# KiCad board demo_matrix2.kicad_pcb
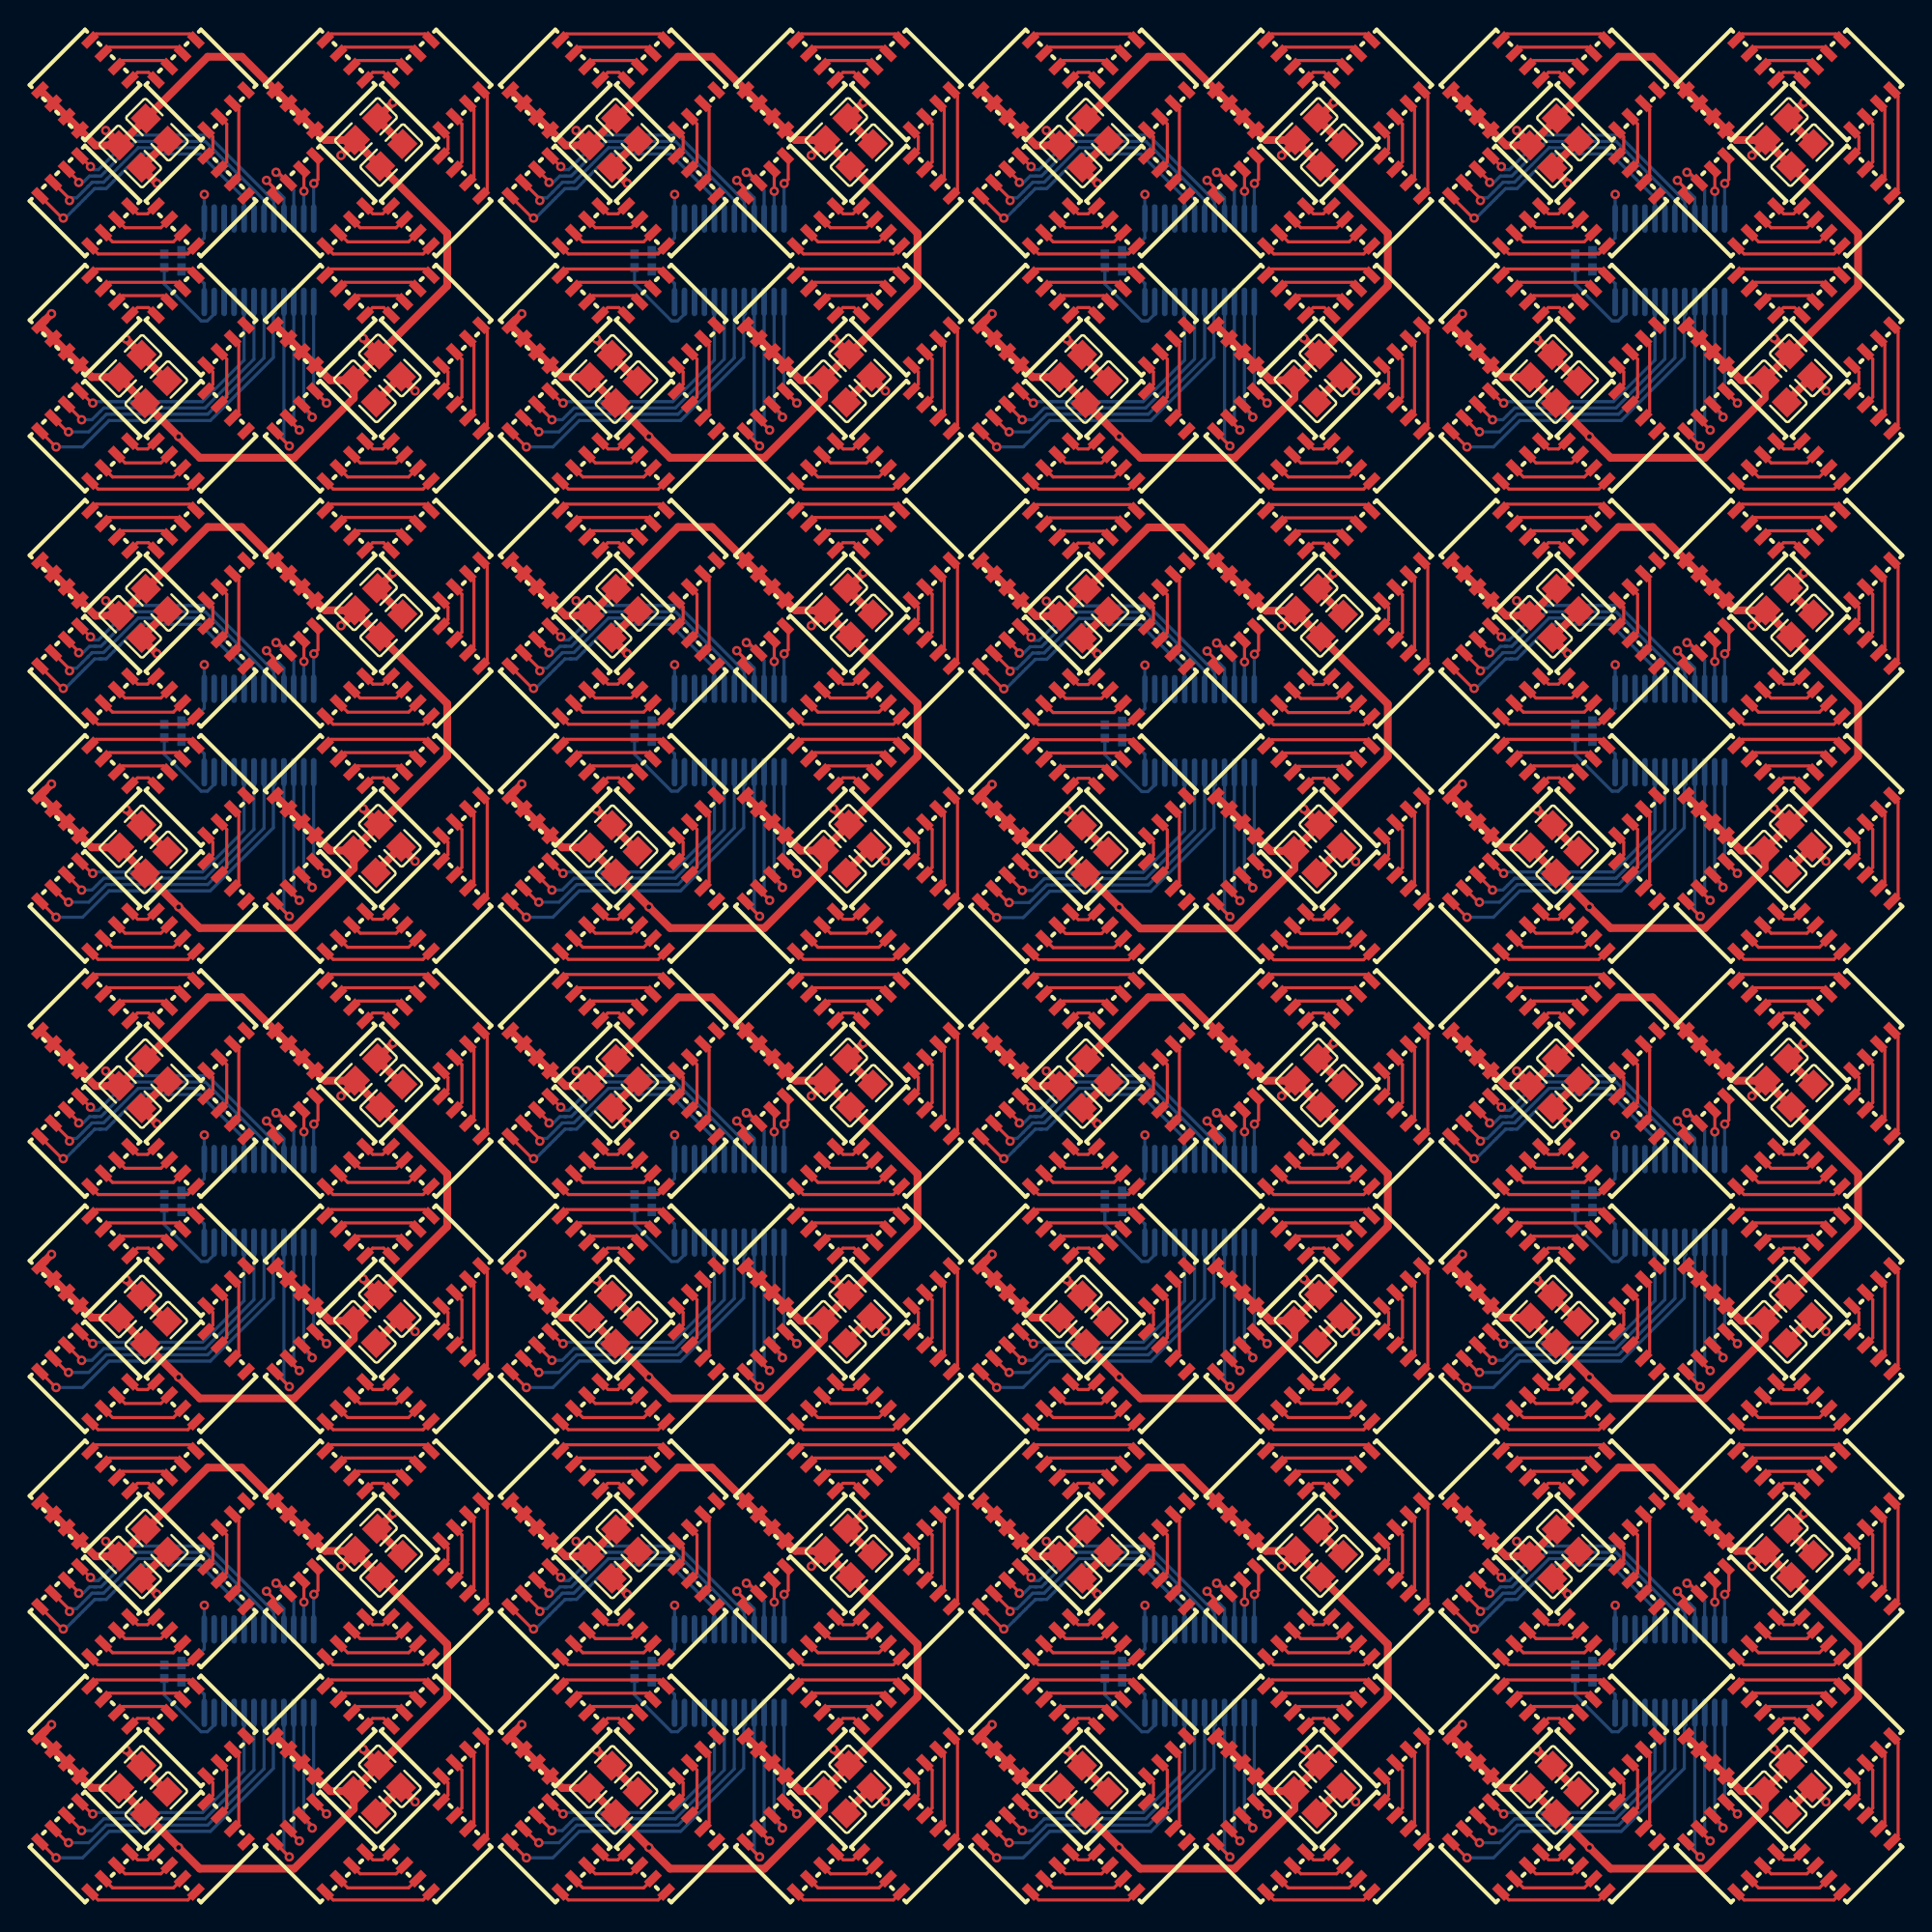
[diagram p0: board, top side]
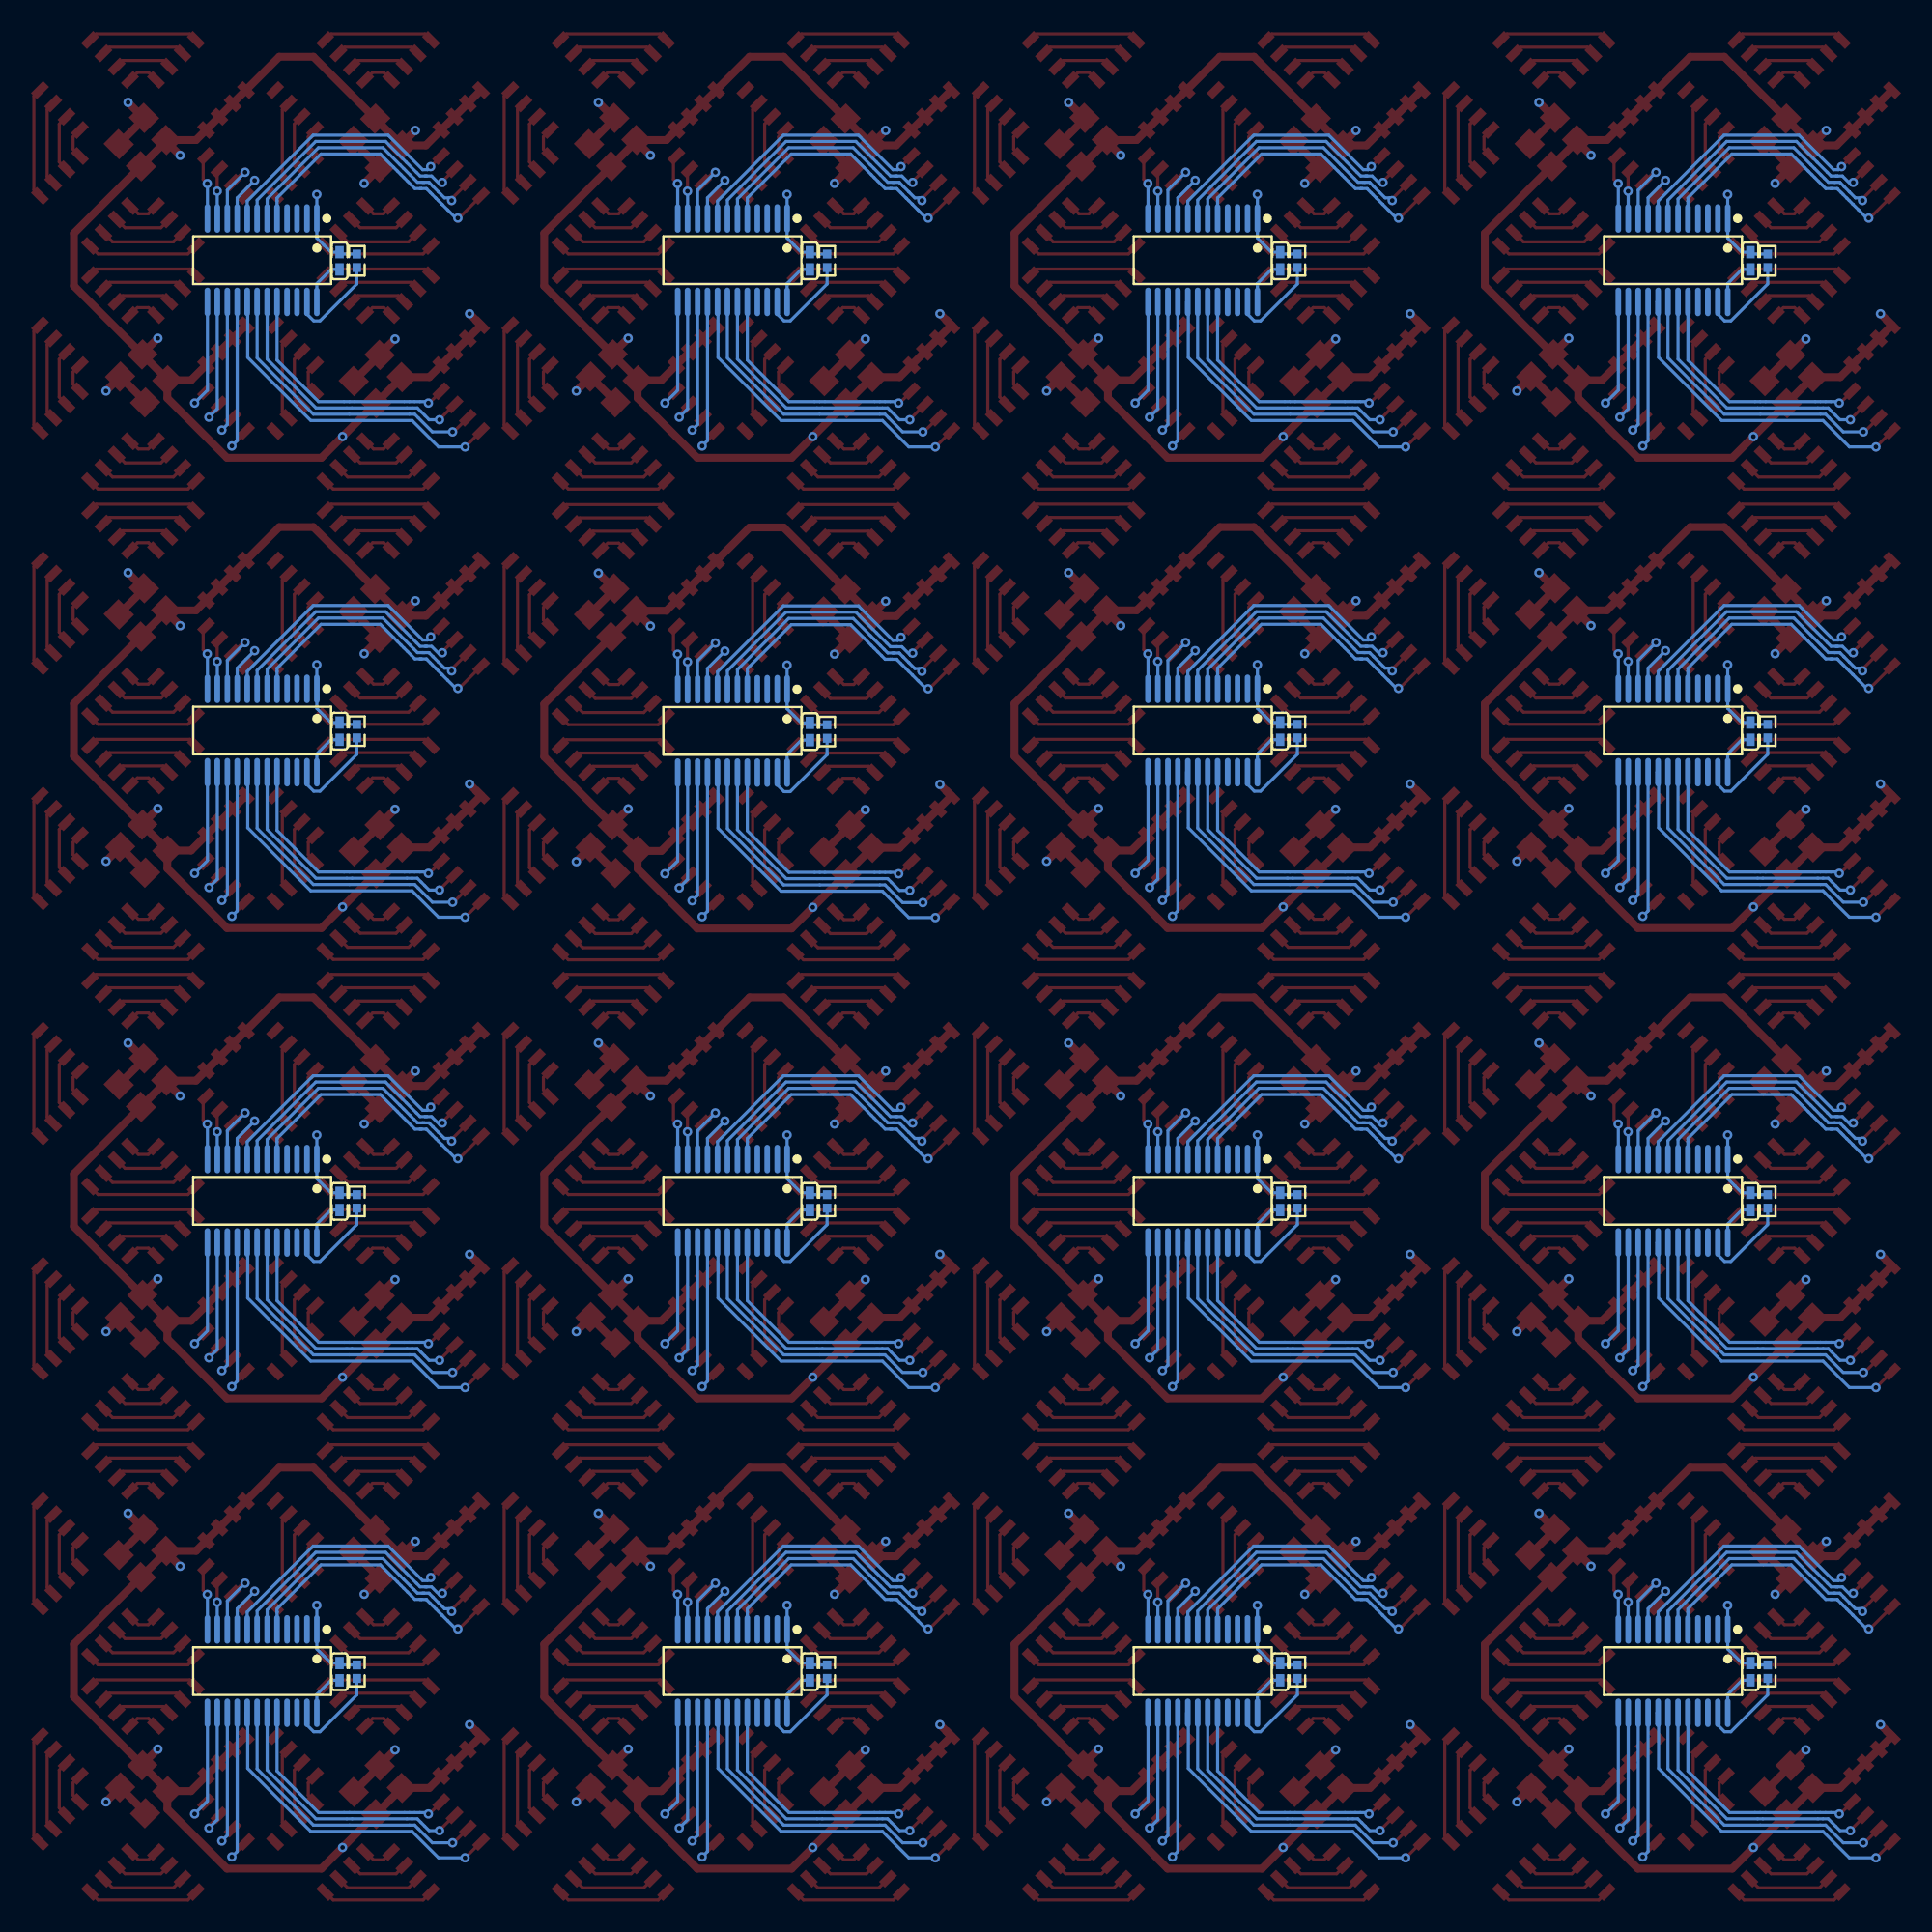
[diagram p1: board, bottom side, seen from below]

No outline. copper layers: Top, Bottom. Coordinates in mm from the lowest, leftmost part position.

## Placement (name value [footprint] x y rotation side)
C1  10µF ±10% 25V X5R  [C0805]  6.69 107.84 315 top
C2  10µF ±10% 25V X5R  [C0805]  8.39 109.55 315 top
C3  10µF ±10% 25V X5R  [C0805]  6.7 94.47 45 top
C4  10µF ±10% 25V X5R  [C0805]  23.34 107.92 45 top
C5  10µF ±10% 25V X5R  [C0805]  21.65 92.86 315 top
C6  10µF ±10% 25V X5R  [C0805]  8.35 92.81 45 top
C7  10µF ±10% 25V X5R  [C0805]  23.25 94.51 315 top
C8  10µF ±10% 25V X5R  [C0805]  21.73 109.6 45 top
C9  100nF ±10% 16V X7R  [C0402]  9.96 101.18 90 bottom
C10  10µF ±10% 25V X5R  [C0805]  36.69 107.84 315 top
C11  10µF ±10% 25V X5R  [C0805]  38.39 109.55 315 top
C12  10µF ±10% 25V X5R  [C0805]  36.7 94.47 45 top
C13  10µF ±10% 25V X5R  [C0805]  53.34 107.92 45 top
C14  10µF ±10% 25V X5R  [C0805]  51.65 92.86 315 top
C15  10µF ±10% 25V X5R  [C0805]  38.35 92.81 45 top
C16  10µF ±10% 25V X5R  [C0805]  53.25 94.51 315 top
C17  10µF ±10% 25V X5R  [C0805]  51.73 109.6 45 top
C18  100nF ±10% 16V X7R  [C0402]  39.96 101.18 90 bottom
C19  10µF ±10% 25V X5R  [C0805]  66.69 107.84 315 top
C20  10µF ±10% 25V X5R  [C0805]  68.39 109.55 315 top
C21  10µF ±10% 25V X5R  [C0805]  66.7 94.47 45 top
C22  10µF ±10% 25V X5R  [C0805]  83.34 107.92 45 top
C23  10µF ±10% 25V X5R  [C0805]  81.65 92.86 315 top
C24  10µF ±10% 25V X5R  [C0805]  68.35 92.81 45 top
C25  10µF ±10% 25V X5R  [C0805]  83.25 94.51 315 top
C26  10µF ±10% 25V X5R  [C0805]  81.73 109.6 45 top
C27  100nF ±10% 16V X7R  [C0402]  69.96 101.18 90 bottom
C28  10µF ±10% 25V X5R  [C0805]  96.69 107.84 315 top
C29  10µF ±10% 25V X5R  [C0805]  98.39 109.55 315 top
C30  10µF ±10% 25V X5R  [C0805]  96.7 94.47 45 top
C31  10µF ±10% 25V X5R  [C0805]  113.34 107.92 45 top
C32  10µF ±10% 25V X5R  [C0805]  111.65 92.86 315 top
C33  10µF ±10% 25V X5R  [C0805]  98.35 92.81 45 top
C34  10µF ±10% 25V X5R  [C0805]  113.25 94.51 315 top
C35  10µF ±10% 25V X5R  [C0805]  111.73 109.6 45 top
C36  100nF ±10% 16V X7R  [C0402]  99.96 101.18 90 bottom
C37  10µF ±10% 25V X5R  [C0805]  96.69 77.84 315 top
C38  10µF ±10% 25V X5R  [C0805]  98.39 79.55 315 top
C39  10µF ±10% 25V X5R  [C0805]  96.7 64.47 45 top
C40  10µF ±10% 25V X5R  [C0805]  113.34 77.92 45 top
C41  10µF ±10% 25V X5R  [C0805]  111.65 62.86 315 top
C42  10µF ±10% 25V X5R  [C0805]  98.35 62.81 45 top
C43  10µF ±10% 25V X5R  [C0805]  113.25 64.51 315 top
C44  10µF ±10% 25V X5R  [C0805]  111.73 79.59 45 top
C45  100nF ±10% 16V X7R  [C0402]  99.96 71.18 90 bottom
C46  10µF ±10% 25V X5R  [C0805]  66.69 77.81 315 top
C47  10µF ±10% 25V X5R  [C0805]  68.39 79.52 315 top
C48  10µF ±10% 25V X5R  [C0805]  66.7 64.45 45 top
C49  10µF ±10% 25V X5R  [C0805]  83.34 77.9 45 top
C50  10µF ±10% 25V X5R  [C0805]  81.65 62.83 315 top
C51  10µF ±10% 25V X5R  [C0805]  68.35 62.78 45 top
C52  10µF ±10% 25V X5R  [C0805]  83.25 64.48 315 top
C53  10µF ±10% 25V X5R  [C0805]  81.73 79.57 45 top
C54  100nF ±10% 16V X7R  [C0402]  69.96 71.16 90 bottom
C55  10µF ±10% 25V X5R  [C0805]  36.69 77.84 315 top
C56  10µF ±10% 25V X5R  [C0805]  38.39 79.55 315 top
C57  10µF ±10% 25V X5R  [C0805]  36.7 64.47 45 top
C58  10µF ±10% 25V X5R  [C0805]  53.34 77.92 45 top
C59  10µF ±10% 25V X5R  [C0805]  51.65 62.86 315 top
C60  10µF ±10% 25V X5R  [C0805]  38.35 62.81 45 top
C61  10µF ±10% 25V X5R  [C0805]  53.25 64.51 315 top
C62  10µF ±10% 25V X5R  [C0805]  51.73 79.6 45 top
C63  100nF ±10% 16V X7R  [C0402]  39.96 71.18 90 bottom
C64  10µF ±10% 25V X5R  [C0805]  6.69 77.84 315 top
C65  10µF ±10% 25V X5R  [C0805]  8.39 79.55 315 top
C66  10µF ±10% 25V X5R  [C0805]  6.7 64.47 45 top
C67  10µF ±10% 25V X5R  [C0805]  23.34 77.92 45 top
C68  10µF ±10% 25V X5R  [C0805]  21.65 62.86 315 top
C69  10µF ±10% 25V X5R  [C0805]  8.35 62.81 45 top
C70  10µF ±10% 25V X5R  [C0805]  23.25 64.51 315 top
C71  10µF ±10% 25V X5R  [C0805]  21.73 79.6 45 top
C72  100nF ±10% 16V X7R  [C0402]  9.96 71.18 90 bottom
C73  10µF ±10% 25V X5R  [C0805]  6.69 47.84 315 top
C74  10µF ±10% 25V X5R  [C0805]  8.39 49.55 315 top
C75  10µF ±10% 25V X5R  [C0805]  6.7 34.47 45 top
C76  10µF ±10% 25V X5R  [C0805]  23.34 47.92 45 top
C77  10µF ±10% 25V X5R  [C0805]  21.65 32.86 315 top
C78  10µF ±10% 25V X5R  [C0805]  8.35 32.81 45 top
C79  10µF ±10% 25V X5R  [C0805]  23.25 34.51 315 top
C80  10µF ±10% 25V X5R  [C0805]  21.73 49.6 45 top
C81  100nF ±10% 16V X7R  [C0402]  9.96 41.18 90 bottom
C82  10µF ±10% 25V X5R  [C0805]  36.69 47.84 315 top
C83  10µF ±10% 25V X5R  [C0805]  38.39 49.55 315 top
C84  10µF ±10% 25V X5R  [C0805]  36.7 34.47 45 top
C85  10µF ±10% 25V X5R  [C0805]  53.34 47.92 45 top
C86  10µF ±10% 25V X5R  [C0805]  51.65 32.86 315 top
C87  10µF ±10% 25V X5R  [C0805]  38.35 32.81 45 top
C88  10µF ±10% 25V X5R  [C0805]  53.25 34.51 315 top
C89  10µF ±10% 25V X5R  [C0805]  51.73 49.6 45 top
C90  100nF ±10% 16V X7R  [C0402]  39.96 41.18 90 bottom
C91  10µF ±10% 25V X5R  [C0805]  66.69 47.84 315 top
C92  10µF ±10% 25V X5R  [C0805]  68.39 49.55 315 top
C93  10µF ±10% 25V X5R  [C0805]  66.7 34.47 45 top
C94  10µF ±10% 25V X5R  [C0805]  83.34 47.92 45 top
C95  10µF ±10% 25V X5R  [C0805]  81.65 32.86 315 top
C96  10µF ±10% 25V X5R  [C0805]  68.35 32.81 45 top
C97  10µF ±10% 25V X5R  [C0805]  83.25 34.51 315 top
C98  10µF ±10% 25V X5R  [C0805]  81.73 49.6 45 top
C99  100nF ±10% 16V X7R  [C0402]  69.96 41.18 90 bottom
C100  10µF ±10% 25V X5R  [C0805]  96.69 47.84 315 top
C101  10µF ±10% 25V X5R  [C0805]  98.39 49.55 315 top
C102  10µF ±10% 25V X5R  [C0805]  96.7 34.47 45 top
C103  10µF ±10% 25V X5R  [C0805]  113.34 47.92 45 top
C104  10µF ±10% 25V X5R  [C0805]  111.65 32.86 315 top
C105  10µF ±10% 25V X5R  [C0805]  98.35 32.81 45 top
C106  10µF ±10% 25V X5R  [C0805]  113.25 34.51 315 top
C107  10µF ±10% 25V X5R  [C0805]  111.73 49.6 45 top
C108  100nF ±10% 16V X7R  [C0402]  99.96 41.18 90 bottom
C109  10µF ±10% 25V X5R  [C0805]  96.69 17.84 315 top
C110  10µF ±10% 25V X5R  [C0805]  98.39 19.55 315 top
C111  10µF ±10% 25V X5R  [C0805]  96.7 4.47 45 top
C112  10µF ±10% 25V X5R  [C0805]  113.34 17.92 45 top
C113  10µF ±10% 25V X5R  [C0805]  111.65 2.86 315 top
C114  10µF ±10% 25V X5R  [C0805]  98.35 2.81 45 top
C115  10µF ±10% 25V X5R  [C0805]  113.25 4.51 315 top
C116  10µF ±10% 25V X5R  [C0805]  111.73 19.6 45 top
C117  100nF ±10% 16V X7R  [C0402]  99.96 11.18 90 bottom
C118  10µF ±10% 25V X5R  [C0805]  66.69 17.84 315 top
C119  10µF ±10% 25V X5R  [C0805]  68.39 19.55 315 top
C120  10µF ±10% 25V X5R  [C0805]  66.7 4.47 45 top
C121  10µF ±10% 25V X5R  [C0805]  83.34 17.92 45 top
C122  10µF ±10% 25V X5R  [C0805]  81.65 2.86 315 top
C123  10µF ±10% 25V X5R  [C0805]  68.35 2.81 45 top
C124  10µF ±10% 25V X5R  [C0805]  83.25 4.51 315 top
C125  10µF ±10% 25V X5R  [C0805]  81.73 19.6 45 top
C126  100nF ±10% 16V X7R  [C0402]  69.96 11.18 90 bottom
C127  10µF ±10% 25V X5R  [C0805]  36.69 17.84 315 top
C128  10µF ±10% 25V X5R  [C0805]  38.39 19.55 315 top
C129  10µF ±10% 25V X5R  [C0805]  36.7 4.47 45 top
C130  10µF ±10% 25V X5R  [C0805]  53.34 17.92 45 top
C131  10µF ±10% 25V X5R  [C0805]  51.65 2.86 315 top
C132  10µF ±10% 25V X5R  [C0805]  38.35 2.81 45 top
C133  10µF ±10% 25V X5R  [C0805]  53.25 4.51 315 top
C134  10µF ±10% 25V X5R  [C0805]  51.73 19.6 45 top
C135  100nF ±10% 16V X7R  [C0402]  39.96 11.18 90 bottom
C136  10µF ±10% 25V X5R  [C0805]  6.69 17.84 315 top
C137  10µF ±10% 25V X5R  [C0805]  8.39 19.55 315 top
C138  10µF ±10% 25V X5R  [C0805]  6.7 4.47 45 top
C139  10µF ±10% 25V X5R  [C0805]  23.34 17.92 45 top
C140  10µF ±10% 25V X5R  [C0805]  21.65 2.86 315 top
C141  10µF ±10% 25V X5R  [C0805]  8.35 2.81 45 top
C142  10µF ±10% 25V X5R  [C0805]  23.25 4.51 315 top
C143  10µF ±10% 25V X5R  [C0805]  21.73 19.6 45 top
C144  100nF ±10% 16V X7R  [C0402]  9.96 11.18 90 bottom
LED1  -  [LED-SMD_8P-L5.0-W5.0-P1.20_HL-5050RGBW-S1-A27]  3.8 112.4 45 top
LED2  -  [LED-SMD_8P-L5.0-W5.0-P1.20_HL-5050RGBW-S1-A27]  11.2 112.4 315 top
LED3  -  [LED-SMD_8P-L5.0-W5.0-P1.20_HL-5050RGBW-S1-A27]  11.2 105 225 top
LED4  -  [LED-SMD_8P-L5.0-W5.0-P1.20_HL-5050RGBW-S1-A27]  3.8 105 135 top
LED5  -  [LED-SMD_8P-L5.0-W5.0-P1.20_HL-5050RGBW-S1-A27]  18.8 112.4 45 top
LED6  -  [LED-SMD_8P-L5.0-W5.0-P1.20_HL-5050RGBW-S1-A27]  26.2 112.4 315 top
LED7  -  [LED-SMD_8P-L5.0-W5.0-P1.20_HL-5050RGBW-S1-A27]  26.2 105 225 top
LED8  -  [LED-SMD_8P-L5.0-W5.0-P1.20_HL-5050RGBW-S1-A27]  18.8 105 135 top
LED9  -  [LED-SMD_8P-L5.0-W5.0-P1.20_HL-5050RGBW-S1-A27]  3.8 97.4 45 top
LED10  -  [LED-SMD_8P-L5.0-W5.0-P1.20_HL-5050RGBW-S1-A27]  11.2 97.4 315 top
LED11  -  [LED-SMD_8P-L5.0-W5.0-P1.20_HL-5050RGBW-S1-A27]  11.2 90 225 top
LED12  -  [LED-SMD_8P-L5.0-W5.0-P1.20_HL-5050RGBW-S1-A27]  3.8 90 135 top
LED13  -  [LED-SMD_8P-L5.0-W5.0-P1.20_HL-5050RGBW-S1-A27]  18.8 97.4 45 top
LED14  -  [LED-SMD_8P-L5.0-W5.0-P1.20_HL-5050RGBW-S1-A27]  26.2 97.4 315 top
LED15  -  [LED-SMD_8P-L5.0-W5.0-P1.20_HL-5050RGBW-S1-A27]  26.2 90 225 top
LED16  -  [LED-SMD_8P-L5.0-W5.0-P1.20_HL-5050RGBW-S1-A27]  18.8 90 135 top
LED17  -  [LED-SMD_8P-L5.0-W5.0-P1.20_HL-5050RGBW-S1-A27]  33.8 112.4 45 top
LED18  -  [LED-SMD_8P-L5.0-W5.0-P1.20_HL-5050RGBW-S1-A27]  41.2 112.4 315 top
LED19  -  [LED-SMD_8P-L5.0-W5.0-P1.20_HL-5050RGBW-S1-A27]  41.2 105 225 top
LED20  -  [LED-SMD_8P-L5.0-W5.0-P1.20_HL-5050RGBW-S1-A27]  33.8 105 135 top
LED21  -  [LED-SMD_8P-L5.0-W5.0-P1.20_HL-5050RGBW-S1-A27]  48.8 112.4 45 top
LED22  -  [LED-SMD_8P-L5.0-W5.0-P1.20_HL-5050RGBW-S1-A27]  56.2 112.4 315 top
LED23  -  [LED-SMD_8P-L5.0-W5.0-P1.20_HL-5050RGBW-S1-A27]  56.2 105 225 top
LED24  -  [LED-SMD_8P-L5.0-W5.0-P1.20_HL-5050RGBW-S1-A27]  48.8 105 135 top
LED25  -  [LED-SMD_8P-L5.0-W5.0-P1.20_HL-5050RGBW-S1-A27]  33.8 97.4 45 top
LED26  -  [LED-SMD_8P-L5.0-W5.0-P1.20_HL-5050RGBW-S1-A27]  41.2 97.4 315 top
LED27  -  [LED-SMD_8P-L5.0-W5.0-P1.20_HL-5050RGBW-S1-A27]  41.2 90 225 top
LED28  -  [LED-SMD_8P-L5.0-W5.0-P1.20_HL-5050RGBW-S1-A27]  33.8 90 135 top
LED29  -  [LED-SMD_8P-L5.0-W5.0-P1.20_HL-5050RGBW-S1-A27]  48.8 97.4 45 top
LED30  -  [LED-SMD_8P-L5.0-W5.0-P1.20_HL-5050RGBW-S1-A27]  56.2 97.4 315 top
LED31  -  [LED-SMD_8P-L5.0-W5.0-P1.20_HL-5050RGBW-S1-A27]  56.2 90 225 top
LED32  -  [LED-SMD_8P-L5.0-W5.0-P1.20_HL-5050RGBW-S1-A27]  48.8 90 135 top
LED33  -  [LED-SMD_8P-L5.0-W5.0-P1.20_HL-5050RGBW-S1-A27]  63.8 112.4 45 top
LED34  -  [LED-SMD_8P-L5.0-W5.0-P1.20_HL-5050RGBW-S1-A27]  71.2 112.4 315 top
LED35  -  [LED-SMD_8P-L5.0-W5.0-P1.20_HL-5050RGBW-S1-A27]  71.2 105 225 top
LED36  -  [LED-SMD_8P-L5.0-W5.0-P1.20_HL-5050RGBW-S1-A27]  63.8 105 135 top
LED37  -  [LED-SMD_8P-L5.0-W5.0-P1.20_HL-5050RGBW-S1-A27]  78.8 112.4 45 top
LED38  -  [LED-SMD_8P-L5.0-W5.0-P1.20_HL-5050RGBW-S1-A27]  86.2 112.4 315 top
LED39  -  [LED-SMD_8P-L5.0-W5.0-P1.20_HL-5050RGBW-S1-A27]  86.2 105 225 top
LED40  -  [LED-SMD_8P-L5.0-W5.0-P1.20_HL-5050RGBW-S1-A27]  78.8 105 135 top
LED41  -  [LED-SMD_8P-L5.0-W5.0-P1.20_HL-5050RGBW-S1-A27]  63.8 97.4 45 top
LED42  -  [LED-SMD_8P-L5.0-W5.0-P1.20_HL-5050RGBW-S1-A27]  71.2 97.4 315 top
LED43  -  [LED-SMD_8P-L5.0-W5.0-P1.20_HL-5050RGBW-S1-A27]  71.2 90 225 top
LED44  -  [LED-SMD_8P-L5.0-W5.0-P1.20_HL-5050RGBW-S1-A27]  63.8 90 135 top
LED45  -  [LED-SMD_8P-L5.0-W5.0-P1.20_HL-5050RGBW-S1-A27]  78.8 97.4 45 top
LED46  -  [LED-SMD_8P-L5.0-W5.0-P1.20_HL-5050RGBW-S1-A27]  86.2 97.4 315 top
LED47  -  [LED-SMD_8P-L5.0-W5.0-P1.20_HL-5050RGBW-S1-A27]  86.2 90 225 top
LED48  -  [LED-SMD_8P-L5.0-W5.0-P1.20_HL-5050RGBW-S1-A27]  78.8 90 135 top
LED49  -  [LED-SMD_8P-L5.0-W5.0-P1.20_HL-5050RGBW-S1-A27]  93.8 112.4 45 top
LED50  -  [LED-SMD_8P-L5.0-W5.0-P1.20_HL-5050RGBW-S1-A27]  101.2 112.4 315 top
LED51  -  [LED-SMD_8P-L5.0-W5.0-P1.20_HL-5050RGBW-S1-A27]  101.2 105 225 top
LED52  -  [LED-SMD_8P-L5.0-W5.0-P1.20_HL-5050RGBW-S1-A27]  93.8 105 135 top
LED53  -  [LED-SMD_8P-L5.0-W5.0-P1.20_HL-5050RGBW-S1-A27]  108.8 112.4 45 top
LED54  -  [LED-SMD_8P-L5.0-W5.0-P1.20_HL-5050RGBW-S1-A27]  116.2 112.4 315 top
LED55  -  [LED-SMD_8P-L5.0-W5.0-P1.20_HL-5050RGBW-S1-A27]  116.2 105 225 top
LED56  -  [LED-SMD_8P-L5.0-W5.0-P1.20_HL-5050RGBW-S1-A27]  108.8 105 135 top
LED57  -  [LED-SMD_8P-L5.0-W5.0-P1.20_HL-5050RGBW-S1-A27]  93.8 97.4 45 top
LED58  -  [LED-SMD_8P-L5.0-W5.0-P1.20_HL-5050RGBW-S1-A27]  101.2 97.4 315 top
LED59  -  [LED-SMD_8P-L5.0-W5.0-P1.20_HL-5050RGBW-S1-A27]  101.2 90 225 top
LED60  -  [LED-SMD_8P-L5.0-W5.0-P1.20_HL-5050RGBW-S1-A27]  93.8 90 135 top
LED61  -  [LED-SMD_8P-L5.0-W5.0-P1.20_HL-5050RGBW-S1-A27]  108.8 97.4 45 top
LED62  -  [LED-SMD_8P-L5.0-W5.0-P1.20_HL-5050RGBW-S1-A27]  116.2 97.4 315 top
LED63  -  [LED-SMD_8P-L5.0-W5.0-P1.20_HL-5050RGBW-S1-A27]  116.2 90 225 top
LED64  -  [LED-SMD_8P-L5.0-W5.0-P1.20_HL-5050RGBW-S1-A27]  108.8 90 135 top
LED65  -  [LED-SMD_8P-L5.0-W5.0-P1.20_HL-5050RGBW-S1-A27]  93.8 82.4 45 top
LED66  -  [LED-SMD_8P-L5.0-W5.0-P1.20_HL-5050RGBW-S1-A27]  101.2 82.4 315 top
LED67  -  [LED-SMD_8P-L5.0-W5.0-P1.20_HL-5050RGBW-S1-A27]  101.2 75 225 top
LED68  -  [LED-SMD_8P-L5.0-W5.0-P1.20_HL-5050RGBW-S1-A27]  93.8 75 135 top
LED69  -  [LED-SMD_8P-L5.0-W5.0-P1.20_HL-5050RGBW-S1-A27]  108.8 82.4 45 top
LED70  -  [LED-SMD_8P-L5.0-W5.0-P1.20_HL-5050RGBW-S1-A27]  116.2 82.4 315 top
LED71  -  [LED-SMD_8P-L5.0-W5.0-P1.20_HL-5050RGBW-S1-A27]  116.2 75 225 top
LED72  -  [LED-SMD_8P-L5.0-W5.0-P1.20_HL-5050RGBW-S1-A27]  108.8 75 135 top
LED73  -  [LED-SMD_8P-L5.0-W5.0-P1.20_HL-5050RGBW-S1-A27]  93.8 67.4 45 top
LED74  -  [LED-SMD_8P-L5.0-W5.0-P1.20_HL-5050RGBW-S1-A27]  101.2 67.4 315 top
LED75  -  [LED-SMD_8P-L5.0-W5.0-P1.20_HL-5050RGBW-S1-A27]  101.2 60 225 top
LED76  -  [LED-SMD_8P-L5.0-W5.0-P1.20_HL-5050RGBW-S1-A27]  93.8 60 135 top
LED77  -  [LED-SMD_8P-L5.0-W5.0-P1.20_HL-5050RGBW-S1-A27]  108.8 67.4 45 top
LED78  -  [LED-SMD_8P-L5.0-W5.0-P1.20_HL-5050RGBW-S1-A27]  116.2 67.4 315 top
LED79  -  [LED-SMD_8P-L5.0-W5.0-P1.20_HL-5050RGBW-S1-A27]  116.2 60 225 top
LED80  -  [LED-SMD_8P-L5.0-W5.0-P1.20_HL-5050RGBW-S1-A27]  108.8 60 135 top
LED81  -  [LED-SMD_8P-L5.0-W5.0-P1.20_HL-5050RGBW-S1-A27]  63.8 82.37 45 top
LED82  -  [LED-SMD_8P-L5.0-W5.0-P1.20_HL-5050RGBW-S1-A27]  71.2 82.37 315 top
LED83  -  [LED-SMD_8P-L5.0-W5.0-P1.20_HL-5050RGBW-S1-A27]  71.2 74.97 225 top
LED84  -  [LED-SMD_8P-L5.0-W5.0-P1.20_HL-5050RGBW-S1-A27]  63.8 74.97 135 top
LED85  -  [LED-SMD_8P-L5.0-W5.0-P1.20_HL-5050RGBW-S1-A27]  78.8 82.37 45 top
LED86  -  [LED-SMD_8P-L5.0-W5.0-P1.20_HL-5050RGBW-S1-A27]  86.2 82.37 315 top
LED87  -  [LED-SMD_8P-L5.0-W5.0-P1.20_HL-5050RGBW-S1-A27]  86.2 74.97 225 top
LED88  -  [LED-SMD_8P-L5.0-W5.0-P1.20_HL-5050RGBW-S1-A27]  78.8 74.97 135 top
LED89  -  [LED-SMD_8P-L5.0-W5.0-P1.20_HL-5050RGBW-S1-A27]  63.8 67.37 45 top
LED90  -  [LED-SMD_8P-L5.0-W5.0-P1.20_HL-5050RGBW-S1-A27]  71.2 67.37 315 top
LED91  -  [LED-SMD_8P-L5.0-W5.0-P1.20_HL-5050RGBW-S1-A27]  71.2 59.97 225 top
LED92  -  [LED-SMD_8P-L5.0-W5.0-P1.20_HL-5050RGBW-S1-A27]  63.8 59.97 135 top
LED93  -  [LED-SMD_8P-L5.0-W5.0-P1.20_HL-5050RGBW-S1-A27]  78.8 67.37 45 top
LED94  -  [LED-SMD_8P-L5.0-W5.0-P1.20_HL-5050RGBW-S1-A27]  86.2 67.37 315 top
LED95  -  [LED-SMD_8P-L5.0-W5.0-P1.20_HL-5050RGBW-S1-A27]  86.2 59.97 225 top
LED96  -  [LED-SMD_8P-L5.0-W5.0-P1.20_HL-5050RGBW-S1-A27]  78.8 59.97 135 top
LED97  -  [LED-SMD_8P-L5.0-W5.0-P1.20_HL-5050RGBW-S1-A27]  33.8 82.4 45 top
LED98  -  [LED-SMD_8P-L5.0-W5.0-P1.20_HL-5050RGBW-S1-A27]  41.2 82.4 315 top
LED99  -  [LED-SMD_8P-L5.0-W5.0-P1.20_HL-5050RGBW-S1-A27]  41.2 75 225 top
LED100  -  [LED-SMD_8P-L5.0-W5.0-P1.20_HL-5050RGBW-S1-A27]  33.8 75 135 top
LED101  -  [LED-SMD_8P-L5.0-W5.0-P1.20_HL-5050RGBW-S1-A27]  48.8 82.4 45 top
LED102  -  [LED-SMD_8P-L5.0-W5.0-P1.20_HL-5050RGBW-S1-A27]  56.2 82.4 315 top
LED103  -  [LED-SMD_8P-L5.0-W5.0-P1.20_HL-5050RGBW-S1-A27]  56.2 75 225 top
LED104  -  [LED-SMD_8P-L5.0-W5.0-P1.20_HL-5050RGBW-S1-A27]  48.8 75 135 top
LED105  -  [LED-SMD_8P-L5.0-W5.0-P1.20_HL-5050RGBW-S1-A27]  33.8 67.4 45 top
LED106  -  [LED-SMD_8P-L5.0-W5.0-P1.20_HL-5050RGBW-S1-A27]  41.2 67.4 315 top
LED107  -  [LED-SMD_8P-L5.0-W5.0-P1.20_HL-5050RGBW-S1-A27]  41.2 60 225 top
LED108  -  [LED-SMD_8P-L5.0-W5.0-P1.20_HL-5050RGBW-S1-A27]  33.8 60 135 top
LED109  -  [LED-SMD_8P-L5.0-W5.0-P1.20_HL-5050RGBW-S1-A27]  48.8 67.4 45 top
LED110  -  [LED-SMD_8P-L5.0-W5.0-P1.20_HL-5050RGBW-S1-A27]  56.2 67.4 315 top
LED111  -  [LED-SMD_8P-L5.0-W5.0-P1.20_HL-5050RGBW-S1-A27]  56.2 60 225 top
LED112  -  [LED-SMD_8P-L5.0-W5.0-P1.20_HL-5050RGBW-S1-A27]  48.8 60 135 top
LED113  -  [LED-SMD_8P-L5.0-W5.0-P1.20_HL-5050RGBW-S1-A27]  3.8 82.4 45 top
LED114  -  [LED-SMD_8P-L5.0-W5.0-P1.20_HL-5050RGBW-S1-A27]  11.2 82.4 315 top
LED115  -  [LED-SMD_8P-L5.0-W5.0-P1.20_HL-5050RGBW-S1-A27]  11.2 75 225 top
LED116  -  [LED-SMD_8P-L5.0-W5.0-P1.20_HL-5050RGBW-S1-A27]  3.8 75 135 top
LED117  -  [LED-SMD_8P-L5.0-W5.0-P1.20_HL-5050RGBW-S1-A27]  18.8 82.4 45 top
LED118  -  [LED-SMD_8P-L5.0-W5.0-P1.20_HL-5050RGBW-S1-A27]  26.2 82.4 315 top
LED119  -  [LED-SMD_8P-L5.0-W5.0-P1.20_HL-5050RGBW-S1-A27]  26.2 75 225 top
LED120  -  [LED-SMD_8P-L5.0-W5.0-P1.20_HL-5050RGBW-S1-A27]  18.8 75 135 top
LED121  -  [LED-SMD_8P-L5.0-W5.0-P1.20_HL-5050RGBW-S1-A27]  3.8 67.4 45 top
LED122  -  [LED-SMD_8P-L5.0-W5.0-P1.20_HL-5050RGBW-S1-A27]  11.2 67.4 315 top
LED123  -  [LED-SMD_8P-L5.0-W5.0-P1.20_HL-5050RGBW-S1-A27]  11.2 60 225 top
LED124  -  [LED-SMD_8P-L5.0-W5.0-P1.20_HL-5050RGBW-S1-A27]  3.8 60 135 top
LED125  -  [LED-SMD_8P-L5.0-W5.0-P1.20_HL-5050RGBW-S1-A27]  18.8 67.4 45 top
LED126  -  [LED-SMD_8P-L5.0-W5.0-P1.20_HL-5050RGBW-S1-A27]  26.2 67.4 315 top
LED127  -  [LED-SMD_8P-L5.0-W5.0-P1.20_HL-5050RGBW-S1-A27]  26.2 60 225 top
LED128  -  [LED-SMD_8P-L5.0-W5.0-P1.20_HL-5050RGBW-S1-A27]  18.8 60 135 top
LED129  -  [LED-SMD_8P-L5.0-W5.0-P1.20_HL-5050RGBW-S1-A27]  3.8 52.4 45 top
LED130  -  [LED-SMD_8P-L5.0-W5.0-P1.20_HL-5050RGBW-S1-A27]  11.2 52.4 315 top